# Altium PCB D5035_50.PcbDoc
Units mm, origin at the board's own origin, x right, y up, seen from the top; angles counter-clockwise.
Board outline 69 x 39 mm, 2 copper layers (Top Layer, Bottom Layer), stack 1.57 mm thick; 82 components, 65 nets, 291 pads, 38 vias.
Unrouted connection lines stored in the file: 1.
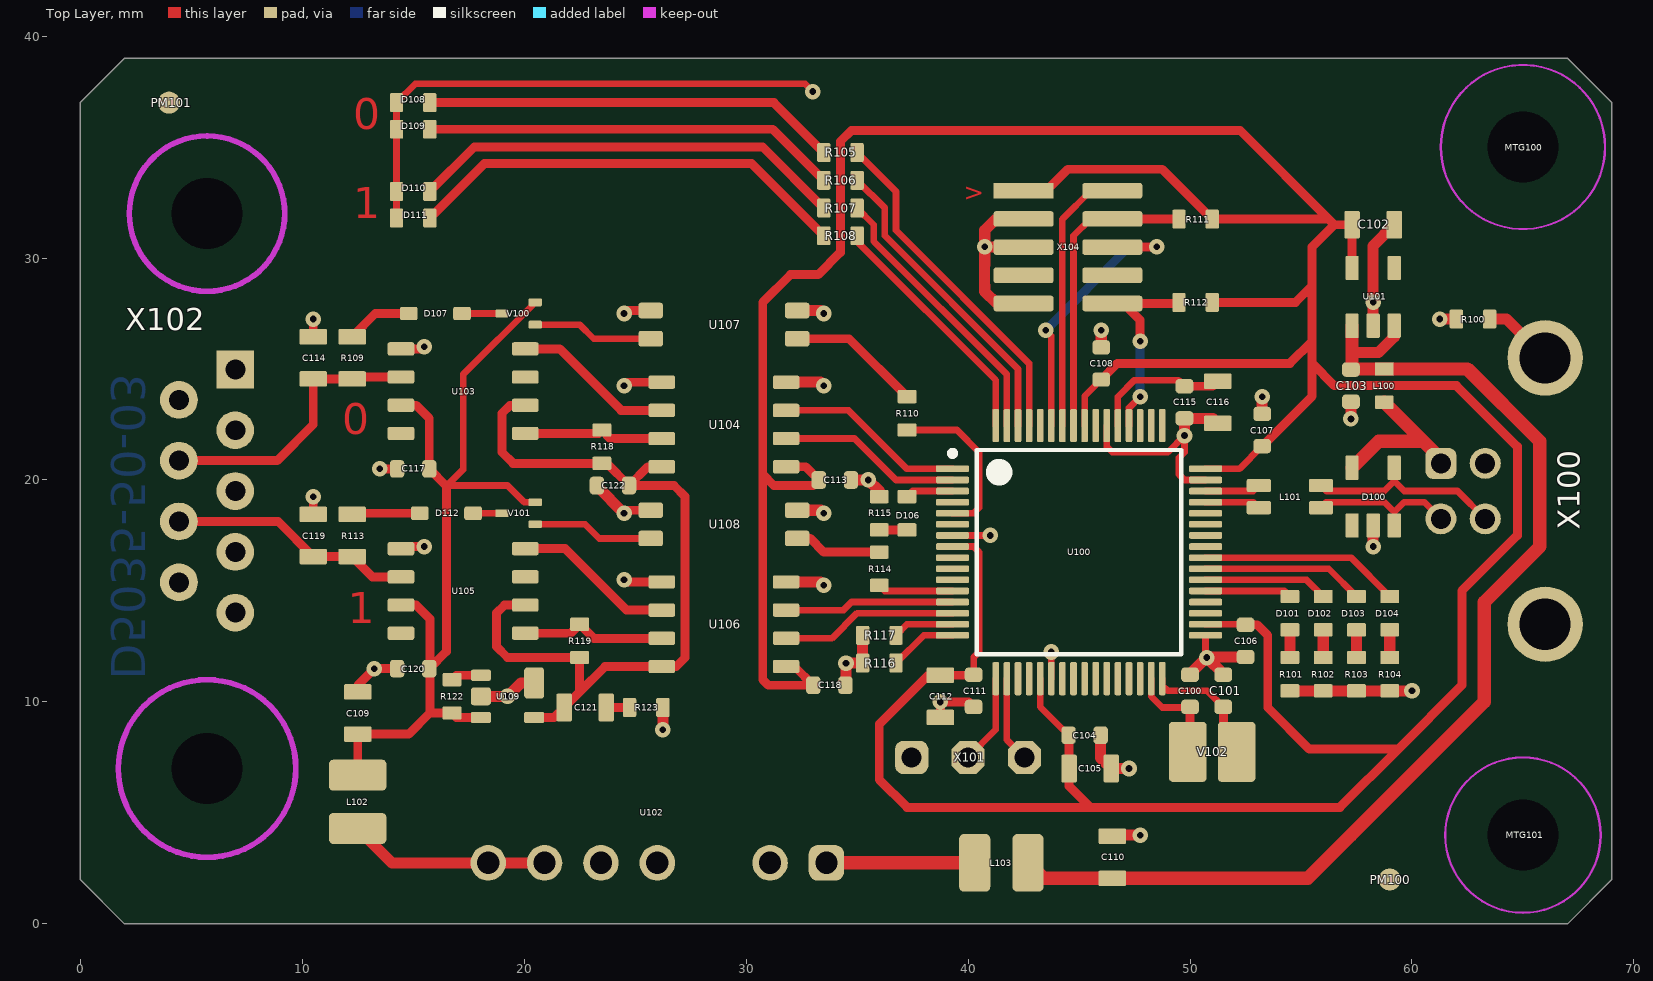
[diagram p0: Top Layer view]
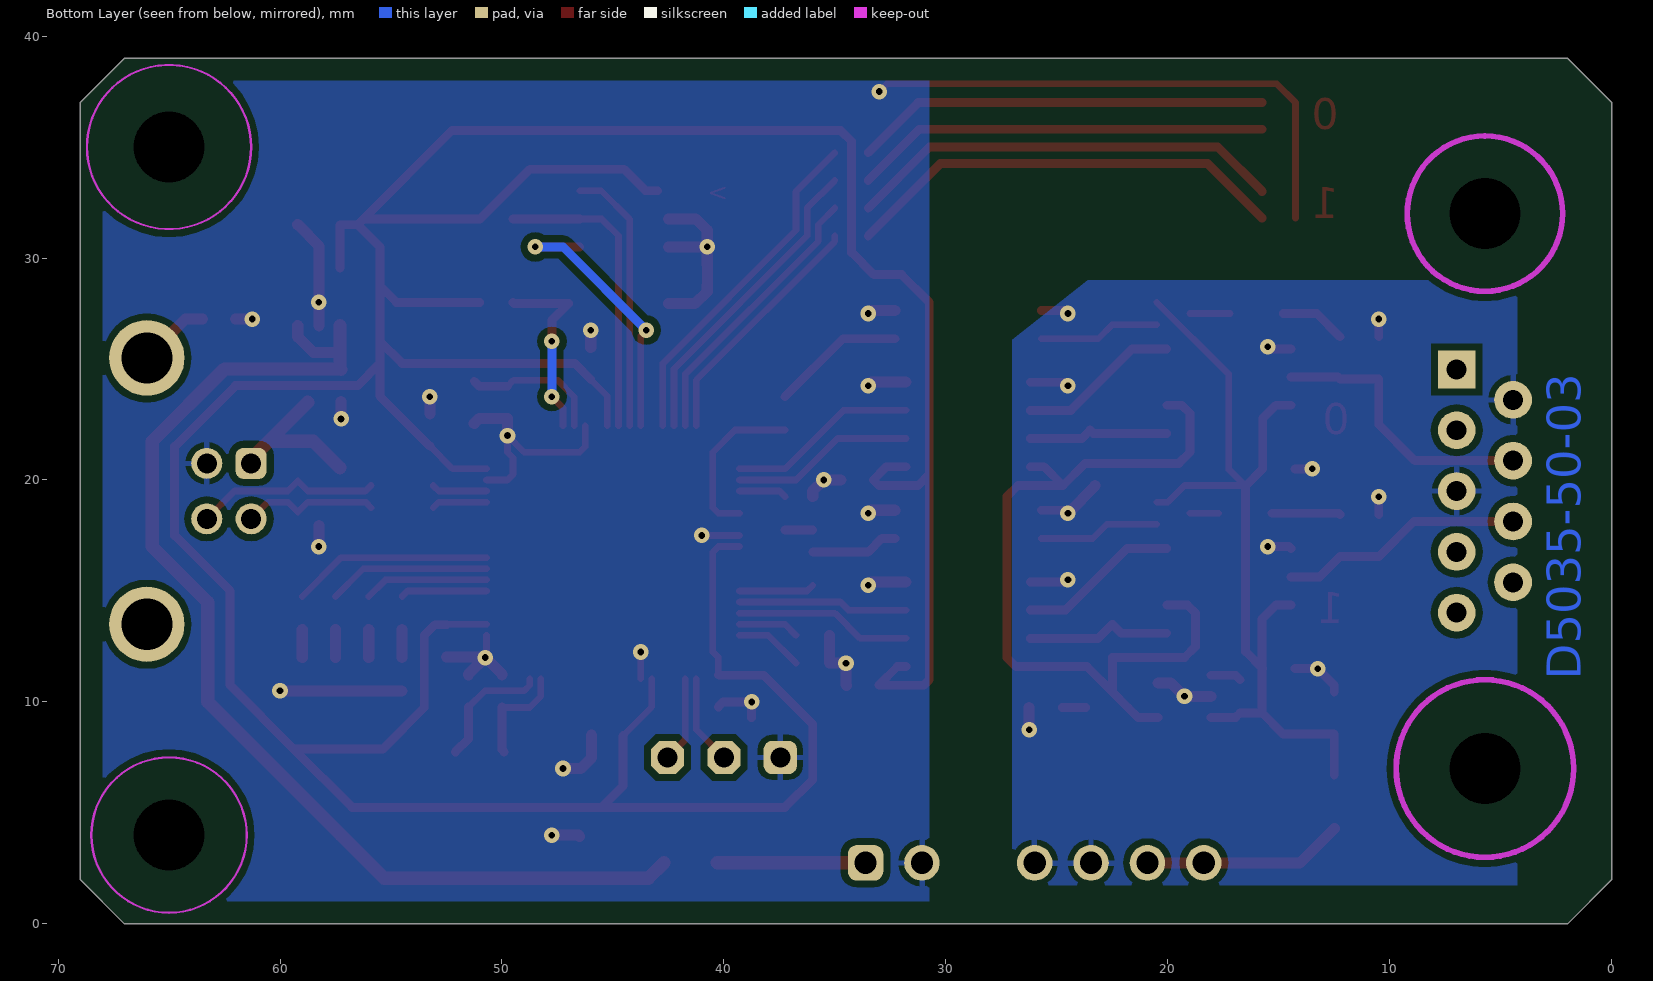
[diagram p1: Bottom Layer view, seen from below]
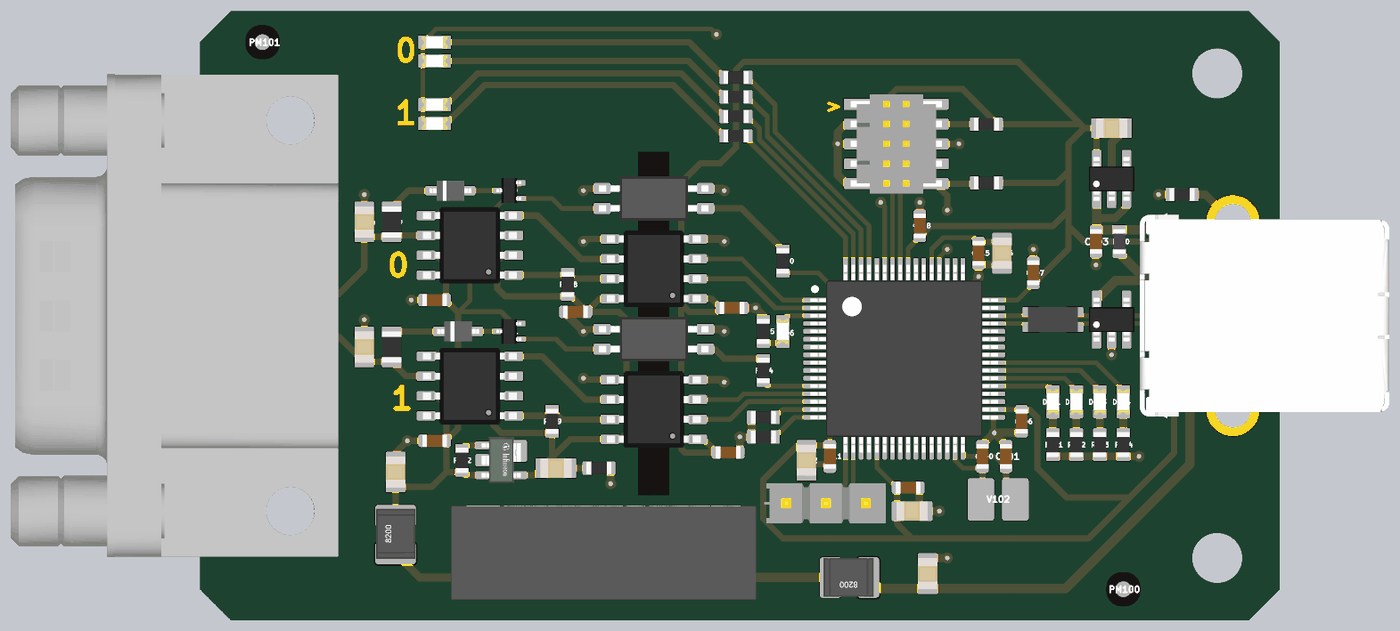
[diagram p2: 3D render of the assembled board from above, using the file's embedded part models]

## Layer stack, top to bottom
Top Solder: solder mask 0.01, Solder Resist, Dk 3.5
Top Layer: signal copper 0.035
Dielectric 1: dielectric 1.5, FR-4, Dk 4.8
Bottom Layer: signal copper 0.035
Bottom Solder: solder mask 0.01, Solder Resist, Dk 3.5

## Board outline
0,2 2,0 67,0 69,2 69,37 67,39 2,39 0,37

## Design rules (kind name [scope] priority, off if disabled: settings)
BoardOutlineClearance [All] p1: gap=1 ignorepadtopadclearanceinfootprint=FALSE
Clearance [All] p1: gap=0.152 ignorepadtopadclearanceinfootprint=FALSE except(0: Arc-Hole Track-Hole SMDPad-Hole THPad-Hole Via-Hole Fill-Hole Poly-Hole Region-Hole Text-Hole; 0.305: Arc-Poly Track-Poly SMDPad-Poly THPad-Poly Via-Poly Fill-Poly Poly-Poly) // 1
DiffPairsRouting [All] p1: maxlimit=0.254 minlimit=0.2 mostfreqgap=0.254 toplayer_minwidth=0.25 toplayer_maxwidth=0.381 toplayer_prefwidth=0.3 bottomlayer_minwidth=0.25 bottomlayer_maxwidth=0.381 bottomlayer_prefwidth=0.3 maxuncoupledlength=12.7
HoleSize [All] p1: absolutevalues=TRUE maxlimit=5.08 minlimit=0.3 maxpercent=80.000 minpercent=20.000
MinimumSolderMaskSliver [All] p1: minsoldermaskwidth=0.051
PasteMaskExpansion [All] p1 off: expansion=0
PolygonConnect PolygonConnect_2 [IsVia] p1: connectstyle=Direct reliefconductorwidth=0.254 reliefentries=4 polygonreliefangle="90 Angle" airgapwidth=0.254
PolygonConnect PolygonConnect_1 [IsPad] p2: thpad.connectstyle=Relief thpad.reliefconductorwidth=0.254 thpad.reliefentries=4 thpad.polygonreliefangle="90 Angle" thpad.airgapwidth=0.254 smdpad.connectstyle=Direct smdpad.reliefconductorwidth=0.254 smdpad.reliefentries=4 smdpad.polygonreliefangle="90 Angle" smdpad.airgapwidth=0.254 via.connectstyle=Direct via.reliefconductorwidth=0.254 via.reliefentries=4 via.polygonreliefangle="90 Angle" via.airgapwidth=0.254
PolygonConnect [All] p3: connectstyle=Relief reliefconductorwidth=0.406 reliefentries=4 polygonreliefangle="90 Angle" airgapwidth=0.254
RoutingVias [All] p1: holewidth=0.3 width=0.6 viastyle="Through Hole" minholewidth=0.3 minwidth=0.6 maxholewidth=1 maxwidth=2
SilkToBoardRegionClearance [All] p1 off:
SilkToSilkClearance [All] p1 off: silktosilkclearance=0.254
SilkToSolderMaskClearance [IsPad] p1 off: minsilkscreentomaskgap=0.254 clearancetoexposedcopper=TRUE
SolderMaskExpansion SolderMaskExpansion_VIA [IsVia] p1: expansion=0.051 istentingtop=FALSE soldermaskfromhole=TRUE
SolderMaskExpansion [All] p2: expansion=0.051 istentingtop=FALSE
Width [All] p1: maxlimit=2.54 minlimit=0.25 preferedwidth=0.3 minimp=50.000000 maximp=50.000000 favimp=50.000000
23 further rules are at their usual default settings.

## Components (designator, comment, footprint, x,y, rotation, side; value= is the part's Value field where it differs from the comment)
C100 "6p" CAPC1608X09L 50,10.5 r90 top
C101 "6p" CAPC1608X09L 51.5,10.5 r270 top
C102 "4µ7" CAPC2012X14L 58.25,31.5 r180 top
C103 "100n" CAPC1608X09L 57.25,24.25 r90 top
C104 "100n" CAPC1608X09L 45.25,8.5 r180 top
C105 "4µ7" CAPC2012X14L 45.5,7 r180 top
C106 "100n" CAPC1608X09L 52.5,12.75 r90 top
C107 "100n" CAPC1608X09L 53.25,22.25 r270 top
C108 "100n" CAPC1608X09L 46,25.25 r270 top
C109 "4µ7" CAPC2012X14L 12.5,9.5 r270 top
C110 "4µ7" CAPC2012X14L 46.5,3 r270 top
C111 "100n" CAPC1608X09L 40.25,10.5 r90 top
C112 "4µ7" CAPC2012X14L 38.75,10.25 r90 top
C113 "100n" CAPC1608X09L 34,20 r180 top
C114 "220p" CAPC2012X14L 10.5,25.5 r270 top
C115 "100n" CAPC1608X09L 49.75,23.5 r90 top
C116 "4µ7" CAPC2012X14L 51.25,23.5 r90 top
C117 "100n" CAPC1608X09L 15,20.5 r0 top
C118 "100n" CAPC1608X09L 33.75,10.75 r180 top
C119 "220p" CAPC2012X14L 10.5,17.5 r270 top
C120 "100n" CAPC1608X09L 15,11.5 r0 top
C121 "4µ7" CAPC2012X14L 22.75,9.75 r180 top
C122 "100n" CAPC1608X09L 24,19.75 r0 top
D100 "WE_824011" SOT95P280X110-5N 58.25,19.25 r90 top
D101 "red" DIOC1608X06N_LED 54.5,14 r90 top
D102 "yellow" DIOC1608X06N_LED 56,14 r90 top
D103 "green" DIOC1608X06N_LED 57.5,14 r90 top
D104 "blue" DIOC1608X06N_LED 59,14 r90 top
D106 "green" DIOC1608X06N_LED 37.25,18.5 r90 top
D107 "1N4148WS" SOD323 16,27.5 r0 top
D108 "green" DIOC1608X06N_LED 15,37 r0 top
D109 "red" DIOC1608X06N_LED 15,35.8 r0 top
D110 "green" DIOC1608X06N_LED 15,33 r0 top
D111 "red" DIOC1608X06N_LED 15,31.8 r0 top
D112 "1N4148WS" SOD323 16.5,18.5 r0 top
L100 "WE_742792641" INDC1608X06L 58.75,24.25 r90 top
L101 "WE_744232090" WE_744232090 54.5,19.25 r180 top
L102 "82103C" Murata_8200C 12.5,5.5 r90 top
L103 "82103C" Murata_8200C 41.5,2.75 r180 top
MTG100 "MH_M3" HOLE_3_2MM 65,35 r0 top
MTG101 "MH_M3" HOLE_3_2MM 65,4 r0 top
PM100 "Fidicual" PM100 59,2 r0 top
PM101 "Fidicual" PM100 4,37 r0 top
R100 "10k" RESC1608X06L 62.75,27.25 r0 top
R101 "2k" RESC1608X06L 54.5,11.25 r90 top
R102 "2k" RESC1608X06L 56,11.25 r90 top
R103 "2k" RESC1608X06L 57.5,11.25 r90 top
R104 "2k" RESC1608X06L 59,11.25 r90 top
R105 "2k" RESC1608X06L 34.25,34.75 r0 top
R106 "1k" RESC1608X06L 34.25,33.5 r0 top
R107 "2k" RESC1608X06L 34.25,32.25 r0 top
R108 "1k" RESC1608X06L 34.25,31 r0 top
R109 "1k/500mW" RESC2012X06L 12.25,25.5 r90 top
R110 "2k" RESC1608X06L 37.25,23 r90 top
R111 "10k" RESC1608X06L 50.25,31.75 r180 top
R112 "10k" RESC1608X06L 50.25,28 r180 top
R113 "1k/500mW" RESC2012X06L 12.25,17.5 r90 top
R114 "2k" RESC1608X06L 36,16 r90 top
R115 "10k" RESC1608X06L 36,18.5 r270 top
R116 "10k" RESC1608X06L 36,11.75 r180 top
R117 "10k" RESC1608X06L 36,13 r180 top
R118 "10k" RESC1608X06L 23.5,21.5 r90 top
R119 "10k" RESC1608X06L 22.5,12.75 r90 top
R122 "10k" RESC1608X06L 16.75,10.25 r270 top
R123 "4.7R" RESC1608X06L 25.5,9.75 r0 top
U100 "SAMx51J1xA-AU" TSQFP50P1200X1200X120-64N 45,16.75 r0 top
U101 "MIC5317-3.3YD5" SOT95P280X110-5N 58.25,28.25 r90 top
U102 "=Value" TBA1/TBA2 26,2.75 r180 top
U103 "TLIN1029A" SOIC127P600X175-8N 17.25,24 r180 top
U104 "SI8622EB-B-IS" SOIC127P600X175-8N 29,22.5 r180 top
U105 "TLIN1029A" SOIC127P600X175-8N 17.25,15 r180 top
U106 "SI8622EB-B-IS" SOIC127P600X175-8N 29,13.5 r180 top
U107 "VOS618A-3T" SSOP-4 29,27 r180 top
U108 "VOS618A-3T" SSOP-4 29,18 r180 top
U109 "TLE4296GV50" INF-PG-SCT595V 19.25,10.25 r270 top
V100 "DTA114EET1G" SOT50P162X60-3N 19.75,27.5 r180 top
V101 "DTA114EET1G" SOT50P162X60-3N 19.75,18.5 r180 top
V102 "16MHz" NX3225Gx 51,7.75 r180 top
X100 "61729-0010BLF" 61729-XXXXXLF 66,19.5 r90 top
X101 "1x3 2,54mm" PINH_1x03_2_54mm 40,7.5 r0 top
X102 "9651226803" 09651226803 6.985,19.5 r90 top
X104 "SWD" FTSH-105-01-L-DV-K 44.5,30.5 r270 top

## Footprints (in the part's own frame and the unit in brackets; to place one, negate y for a bottom-side part, rotate by r counter-clockwise, add the part's x,y. Pads: shape width x height; smd on the part's side, far side on the other; paste and mask are expansions set on the pad)
61729-XXXXXLF [mm] "USB Buchse"
  rrect50% 1.4x1.4 hole 0.9: 1(1.25,4.7)
  round 1.4 hole 0.9: 2(-1.25,4.7) 3(-1.25,2.7) 4(1.25,2.7)
  round 3.4 hole 2.3: Shell(-6,0) Shell(6,0)
  body extent -6.56,-10 6.56,5.94, height 1.15
09651226803 [mm]
  rect 1.7x1.7 hole 0.9: 1(5.48,0)
  round 1.7 hole 0.9: 2(2.74,0) 3(0,0) 4(-2.74,0) 5(-5.48,0) 6(4.11,2.54) 7(1.37,2.54) 8(-1.37,2.54) 9(-4.11,2.54)
  round 0 hole 3.2 unplated: SH(-12.5,1.27) SH(12.5,1.27)
  body extent -15.46,-1.85 15.45,19.05, height 13.55
CAPC1608X09L [mm] "Chip Capacitor, 2-Leads, Body 1,6x0,8mm, IPC High Density"
  rrect50% 0.65x0.8 smd: 1(-0.725,0) 2(0.725,0)
  body extent -0.8,-0.4 0.8,0.4, height 0.6
CAPC2012X14L [mm] "Chip Capacitor, 2-Leads, Body 2,0x1,3mm, IPC High Density"
  rrect20% 0.7x1.25 smd: 1(-0.95,0) 2(0.95,0)
  body extent -1,-0.62 1,0.62, height 0.6
DIOC1608X06N_LED [mm]
  rrect20% 0.6x0.85 smd: 1(-0.75,0) 2(0.75,0)
  body extent -0.8,-0.4 0.8,0.4, height 0.7
FTSH-105-01-L-DV-K [mm] "SAMTEC FTSH 5pin doppelreihig, 1,27mm x 1,27mm"
  rect 0.7x2.7 smd: 1(-2.53,-2)
  rrect30% 0.7x2.7 smd: 2(-2.53,2) 3(-1.26,-2) 4(-1.26,2) 5(0.01,-2) 6(0.01,2) 7(1.28,-2) 8(1.28,2) 9(2.55,-2) 10(2.55,2)
  body extent -3.17,-2.92 3.18,2.92, height 6.11
HOLE_3_2MM [mm] "Mouting-Hole for screws M3 with keepout for washer"
  round 0 hole 3.2 unplated: 1(0,0)
  Keep-Out Layer circle w0.1: c0,0 r3.7
INDC1608X06L [mm] "Ferrite Bead 2-Leads, Body 1,6x0,8mm, IPC High Density"
  rrect20% 0.6x0.85 smd: 1(-0.75,0) 2(0.75,0)
  body extent -0.8,-0.4 0.8,0.4, height 0.8
INF-PG-SCT595V [mm] "SOT23, 5-Leads, Body 2.9x1.6mm, Pitch 0.95mm"
  rrect30% 0.5x0.9 smd: 1(-0.95,-1.2) 3(0.95,-1.2) 4(0.95,1.2)
  rrect30% 0.8x0.9 smd: 2(0,-1.2)
  rrect30% 1.4x0.9 smd: 5(-0.6,1.2)
  body extent -1.45,-1.25 1.45,1.25, height 1.11
Murata_8200C [mm]
  rrect30% 1.4x2.6 smd paste+0 mask+0.102: 1(-1.2,0)
  rrect30% 1.4x2.6 smd: 2(1.2,0)
  body extent -1.55,-1.26 1.65,1.24, height 2
NX3225Gx [mm] "Quartz Crystal Units NX3225Gx for Automotive, 2-Leads, Body 3.2x2.5mm, IPC Medium Density"
  rrect20% 1.7x2.7 smd: 1(-1.1,0) 2(1.1,0)
  body extent -1.7,-1.3 1.7,1.3, height 1
PINH_1x03_2_54mm [mm] "Pin-Header 3 polig"
  rrect50% 1.5x1.5 hole 0.9: 1(-2.54,0)
  oct 1.5x1.5 hole 0.9: 2(0,0) 3(2.54,0)
  body extent -3.94,-1.27 3.81,1.27, height 8.38
PM100 [mm] "Passermarke für Bestueckungsautomaten rund"
  rect 0.2x0.2 smd mask+1: 1(0,0)
  round 1 smd: 1(0,0)
  Top Layer pour cut-out: -1.2,1.2 1.2,1.2 1.2,-1.2 -1.2,-1.2
RESC1608X06L [mm] "Chip Resistor, 2-Leads, Body 1,6x0,8mm, IPC High Density"
  rrect20% 0.6x0.85 smd: 1(-0.75,0) 2(0.75,0)
  body extent -0.8,-0.4 0.8,0.4, height 0.4
RESC2012X06L [mm] "Chip Resistor, 2-Leads, Body 2,0x1,3mm, IPC High Density"
  rrect20% 0.7x1.25 smd: 1(-0.95,0) 2(0.95,0)
  body extent -1,-0.63 1,0.63, height 0.5
SOD323 [mm] "Molded Diode, 2-Leads, Body 2,7x1,6mm, IPC Medium Density"
  rrect30% 0.8x0.6 smd: 1(-1.2,0) 2(1.2,0)
  body extent -1.34,-0.65 1.34,0.65, height 0.94
SOIC127P600X175-8N [mm] "SOIC, 8-Leads, Body 5,0x4,0mm (max), Pitch 1,27mm, IPC Medium Density"
  rrect30% 1.2x0.6 smd: 1(-2.8,1.905) 2(-2.8,0.635) 3(-2.8,-0.635) 4(-2.8,-1.905) 5(2.8,-1.905) 6(2.8,-0.635) 7(2.8,0.635) 8(2.8,1.905)
  body extent -3,-2.45 3,2.45, height 1.7
SOT50P162X60-3N [mm] "SC89/SOT666, 3-Leads, Body 1,7x1,7mm (max), Pitch 0,50mm, IPC Medium Density"
  rrect30% 0.6x0.35 smd: 1(-0.75,0.5) 2(-0.75,-0.5) 3(0.75,0)
  body extent -0.8,-0.8 0.8,0.8, height 0.78
SOT95P280X110-5N [mm] "SOT23, 5-Leads, Body 3,0x3,0mm (max), Pitch 0,95mm, IPC Medium Density"
  rrect20% 1.1x0.6 smd: 1(-1.3,0.95) 2(-1.3,0) 3(-1.3,-0.95) 4(1.3,-0.95) 5(1.3,0.95)
  body extent -1.4,-1.45 1.4,1.45, height 1.45
SSOP-4 [mm]
  rrect30% 1.1x0.7 smd: 1(-3.3,0.635) 2(-3.3,-0.635) 3(3.3,-0.635) 4(3.3,0.635)
  body extent -3.5,-1.43 3.5,1.43, height 2.1
TBA1/TBA2 [mm]
  rrect50% 1.6x1.6 hole 1: 1(-7.62,0)
  round 1.6 hole 1: 2(-5.08,0) 4(0,0) 4(2.54,0) 6(5.08,0) 6(7.62,0)
  body extent -9.55,-4.6 9.95,1.42, height 10.1
TSQFP50P1200X1200X120-64N [mm] "TSQFP, 64-Leads, Body 10,00x10,00mm, Pitch 0,50mm, IPC Medium Density"
  rrect50% 1.5x0.3 smd: 1(-5.7,3.75) 2(-5.7,3.25) 3(-5.7,2.75) 4(-5.7,2.25) 5(-5.7,1.75) 6(-5.7,1.25) 7(-5.7,0.75) 8(-5.7,0.25) 9(-5.7,-0.25) 10(-5.7,-0.75) 11(-5.7,-1.25) 12(-5.7,-1.75) 13(-5.7,-2.25) 14(-5.7,-2.75) 15(-5.7,-3.25) 16(-5.7,-3.75) 33(5.7,-3.75) 34(5.7,-3.25) 35(5.7,-2.75) 36(5.7,-2.25) 37(5.7,-1.75) 38(5.7,-1.25) 39(5.7,-0.75) 40(5.7,-0.25) 41(5.7,0.25) 42(5.7,0.75) 43(5.7,1.25) 44(5.7,1.75) 45(5.7,2.25) 46(5.7,2.75) 47(5.7,3.25) 48(5.7,3.75)
  rrect50% 0.3x1.5 smd: 17(-3.75,-5.7) 18(-3.25,-5.7) 19(-2.75,-5.7) 20(-2.25,-5.7) 21(-1.75,-5.7) 22(-1.25,-5.7) 23(-0.75,-5.7) 24(-0.25,-5.7) 25(0.25,-5.7) 26(0.75,-5.7) 27(1.25,-5.7) 28(1.75,-5.7) 29(2.25,-5.7) 30(2.75,-5.7) 31(3.25,-5.7) 32(3.75,-5.7) 49(3.75,5.7) 50(3.25,5.7) 51(2.75,5.7) 52(2.25,5.7) 53(1.75,5.7) 54(1.25,5.7) 55(0.75,5.7) 56(0.25,5.7) 57(-0.25,5.7) 58(-0.75,5.7) 59(-1.25,5.7) 60(-1.75,5.7) 61(-2.25,5.7) 62(-2.75,5.7) 63(-3.25,5.7) 64(-3.75,5.7)
  silkscreen extent -5.82,-4.6 4.6,4.6, body extent -6,-6 6,6, height 1.2
WE_744232090 [mm] "SMD Stromkomp. Datenleitungsfilter WE-CNSW"
  rrect30% 1.1x0.6 smd: 1(-1.4,0.5) 2(1.4,0.5) 3(1.4,-0.5) 4(-1.4,-0.5)
  body extent -1.7,-0.9 1.7,0.89, height 1.8

## Part data
C100 C101 C103 C104 C106 C107 C108 C111 C113 C115 C117 C118 C120 C122: library part CAPC_0603, "0603 Chip Capacitor", Bauteilart=Capacitor, Editor=rriedel, Kategorie=generic, PackageDescription=0603, Part Number=CAPC_0603, Status=tested, Unterart=unpolarized
C102 C105 C109 C110 C112 C114 C116 C119 C121: library part CAPC_0805, "0805 Chip Capacitor", Bauteilart=Capacitor, Editor=rriedel, Kategorie=generic, PackageDescription=0805, Part Number=CAPC_0805, Status=tested, Unterart=unpolarized
D100: "TVS Diode Array WE-TVS", Manufacturer=Wuerth, Bauteilart=Diode, Date=22.06.2020, Distributor_1=Digi-Key, Distributor_1_Part_Number=732-4465-1-ND, Editor=rriedel, Kategorie=Part, PackageDescription=SOT23-5, Part Number=WE_824011, Part_Number_1=824011, Status=new, Unterart=ESD
D101 D102 D103 D104 D106 D108 D109 D110 D111: library part LED_0603, "LED, 0603", Bauteilart=Diode, Date=29.06.2020, Editor=rriedel, Kategorie=generic, PackageDescription=0603, Part Number=LED_0603, Status=new, Unterart=generic
D107 D112: "Small Signal Diode IF 0.15A, VR 75V, SOD323F", Bauteilart=Diode, Date=14.03.2022, Distributor_1=LCSC, Distributor_1_Part_Number=C2128, Editor=rriedel, Kategorie=Part, PackageDescription=SOD323F, Part Number=1N4148WS, Status=new, Unterart="Small Signal"
L100: "SMT EMI suppression ferrite bead WE-CBF", Manufacturer=Wuerth, Bauteilart=Inductor, Date=22.06.2020, Distributor_1=Digi-Key, Distributor_1_Part_Number=732-1592-1-ND, Editor=rriedel, Kategorie=Part, PackageDescription=0603, Part Number=WE_742792641, Part_Number_1=742792641, Status=new, Unterart="Ferrite Bead"
L101: "SMD common mode noise suppressor WE-CNSW", Manufacturer=Wuerth, Bauteilart=Inductor, Date=22.06.2020, Distributor_1=Digi-Key, Distributor_1_Part_Number=732-1469-1-ND, Editor=rriedel, Kategorie=Part, PackageDescription=3216, Part Number=WE_744232090, Part_Number_1=744232090, Status=new, Unterart=Filter
L102 L103: "10µH, 0,5A, 400mR", Manufacturer=Murata, Bauteilart=Inductor, Date=27.06.2020, Distributor_1=Digi-Key, Distributor_1_Part_Number=811-2473-1-ND, Editor=rriedel, Kategorie=Part, PackageDescription="3,2x2,5 mm", Part Number=82103C, Part_Number_1=82103C, Status=new, Unterart=Power
MTG100 MTG101: "Mounting-Hole for M3 screws", Bauteilart=Mechanic, Date=13.05.2018, Editor=rriedel, Kategorie=No_Bom, Part Number=MH_M3, Status=tested, Unterart=Holes
PM100 PM101: library part PM100, "Passermarke für Bestueckungsautomaten 1mm rund, 2,2mm quadratischer Ausschnitt, 2,1 mm Ausstellung Loetstoplack", Bauteilart=Manufacturing, Date=22.02.2017, Editor=rriedel, Kategorie=No_Bom, PackageDescription="Passermarke 1.0mm rund", Part Number=PM100, Status=tested, Unterart=Passermarke
R100 R101 R102 R103 R104 R105 R106 R107 R108 R110 R111 R112 R114 R115 R116 R117 R118 R119 R122 R123: library part RESC_0603, "0603 Chip Resistor", Bauteilart=Resistor, Editor=rriedel, Kategorie=generic, PackageDescription=0603, Part Number=RESC_0603, Status=tested, Unterart=generic
R109 R113: library part RESC_0805, "0805 Chip Resistor", Bauteilart=Resistor, Editor=rriedel, Kategorie=generic, PackageDescription=0805, Part Number=RESC_0805, Status=tested, Unterart=generic
U100: library part SAME51J19A-AU, "32-bit Microcontroller, 120MHz Cortex M4-F, 512k FLASH,  2x CAN-FD, -40…85°C", Manufacturer=Microchip, Bauteilart=MikroController, Date=15.07.2018, Distributor_1=Digi-Key, Distributor_1_Part_Number=ATSAME51J19A-AUTCT-ND, Editor=rriedel, Kategorie=Part, PackageDescription=TQFP64-0.5mm, Part Number=SAME51J19A-AU, Part_Number_1=SAME51J19A-AU, Status=tested, Unterart="32bit Microchip"
U101: library part MIC5233-3.3, "100 mA LDO,  Vout= 3,3V, -40°C..125°C", Manufacturer=Microchip, Bauteilart=IC, Date=15.09.2016, Editor=rriedel, Kategorie=Part, PackageDescription=SOT23-5, Part Number=MIC5317-3.3YD5, Part_Number_1=MIC5317-3.3YD5, Status=tested, Unterart=Linear-Regulators
U102: library part MER1S0505SC, "Isolated Single Output DC-DC Converters 5V/12V", Part Number="TBA 2-0512", Bauteilart=Module, Date=27.06.2020, Editor=rriedel, Kategorie=Part, PackageDescription="4Pin SIP", Status=new, Unterart=DCDC
U103 U105: "LIN transceiver", Manufacturer=TI, Bauteilart=IC, Date=27.02.2022, Distributor_1=Mouser, Distributor_1_Part_Number=595-TLIN1029ADRQ1, Editor=rriedel, Kategorie=Part, PackageDescription=SO8, Part Number=TLIN1029A, Part_Number_1=TLIN1029A, Status=tested, Unterart=LIN
U104 U106: "Dual channel digital isolator, 150Mbit, 2,5kV", Manufacturer="Silicon Labs", Bauteilart=IC, Date=28.06.2020, Distributor_1=Digi-Key, Distributor_1_Part_Number=336-5209-1-ND, Editor=rriedel, Kategorie=Part, PackageDescription=SO8, Part Number=SI8622EB-B-IS, Part_Number_1=SI8622EB-B-IS, Status=tested, Unterart=Isolator
U107 U108: "Optocoupler, Phototransistor Output, Low Input Current, SSOP-4", Manufacturer=Vishay, Bauteilart=Opto, Date=28.02.2022, Distributor_1=Digi-Key, Distributor_1_Part_Number=VOS618A-3TCT-ND‎, Editor=rriedel, Kategorie=Part, PackageDescription=SSOP-4, Part Number=VOS618A-3T, Part_Number_1=VOS618A-3T, Status=new, Unterart=Optocoupler
U109: "30 mA LDO, Vout = 5,0V, 4%", Manufacturer=Infineon, Bauteilart=IC, Date=07.03.2022, Editor=rriedel, Kategorie=Part, PackageDescription=SCT595, Part Field 2=SCT595-5, Part Number=TLE4296GV50, Part_Number_1=TLE4296GV50, Status=tested, Unterart=Linear-Regulators
V100 V101: "PNP Transistor with Resistors (10kΩ, 10kΩ)  VCE= 50V, IC=100mA, SOT23, AEC Q101", Bauteilart=Transistor, Date=19.12.2021, Editor=rriedel, Kategorie=Part, PackageDescription=SC-75, Part Number=DTA114EET1G, Status=new, Unterart=PNP
V102: library part NX3225GB-16.000000MHZ, "16.000MHz Crystal SMD, 3.2x2.5mm, 8pF, 50ppm,  -40..+150°C", Manufacturer=NDK, Bauteilart=Crystal, Date=22.10.2015, Distributor_1=Digi-Key, Distributor_1_Part_Number=644-1233-1-ND, Distributor_2=Frischer, Editor=rriedel, Kategorie=Part, PackageDescription="NX3225Gx 3,2mm x 2,5mm", Part Number=NX3225GB-16.000000MHZ, Part_Number_1=NX3225GB-16M-STD-CRA-2, Status=tested, Unterart="NX3225GB automotive"
X100: "USB-B socket, THT", Manufacturer=Amphenol, Bauteilart=Connector, Date=28.06.2020, Distributor_1=Digi-Key, Distributor_1_Part_Number=609-1039-ND, Editor=rriedel, Kategorie=Part, PackageDescription=USB-B, Part Number=61729-0010BLF, Part_Number_1=61729-0010BLF, Status=new, Unterart=USB
X101: library part PINH_1x3_2_54, "Pin-Header 2,54 mm 3pins", Bauteilart=Connector, Date=02.02.2017, Editor=rriedel, Kategorie=generic, Part Number=PINH_1x3_2_54, Status=tested, Unterart=Pin-Header
X102: "D-Sub, 9 pin, male, right angle", Manufacturer=Harting, Bauteilart=Connector, Date=29.06.2020, Distributor_1=Farnell, Distributor_1_Part_Number=2752007, Editor=rriedel, Kategorie=Part, PackageDescription=D-Sub, Part Number=9651226803, Part_Number_1=9651226803, Status=new, Unterart=D-Sub
X104: "ARM Debug-Header 2x5 1,27 mm", Bauteilart=Connector, Date=12.08.2018, Editor=rriedel, Kategorie=Part, PackageDescription="2x5 1,27mm", Part Number=SWD, Status=tested, Unterart=Debug

## Via types
v1: diameter 0.7, hole 0.3, Top Layer to Bottom Layer, tented both sides, 38 vias

## Nets (pads, with @x,y where several pads share a name; then routed paths per layer and width w, separated by ;. In a path a pad name is that pad's centre, name@x,y a point inside that pad or via, vN(x,y) a via of type N, cw(c..) or ccw(c..) an arc to the next point about the centre after c; other vN are vias at no path point)
3V3: C102.2 C104.2 C105.2 C106.2 C107.2 C108.2 C111.2 C112.2 C113.2 C118.2 R111.1 R112.1 U100.8 U100.21 U100.34 U100.48 U100.56 U101.5 U104.1 U106.1 X104.1 | length 194.1
  Top Layer w0.3: U100.8 40.25,17 40.5,16.75 40.5,12.25 40.25,12 C111.2 ; U100.21 43.25,9.775 C104.2 ; U100.56 45.25,23.775 C108.2 ; U100.34 52.475,13.5 C106.2 ; U100.48 52.225,20.5 C107.2
  Top Layer w0.4: U106.1 32.18,11.595 C118.2 31,10.75 30.75,11 30.75,20.25 ; U104.1 32.68,20.595 C113.2 33.025,19.75 31.25,19.75 30.75,20.25 ; C111.2 40.225,11.2 C112.2 38.2,11.2 36,9 36,6.5 37.25,5.25 45.5,5.25 ; X104.1@43,33.03 43.53,33.03 44.5,34 48.75,34 R111.1 56.25,31.75 ; C104.2 44.55,8.475 C105.2 44.55,6.2 45.5,5.25 ; C108.2 46.725,25.25 54.5,25.25 55.5,26.25 ; R112.1 54.75,28 55.5,28.75 ; C106.2 53.025,13.475 53.5,13 53.5,9.75 55.375,7.875 59.375,7.875 ; C107.2 55.5,23.775 55.5,25.25 ; U101.5 C102.2 56.5,31.5 ; 30.75,20.25 30.75,28 32,29.25 33.25,29.25 34.25,30.25 34.25,35.25 34.75,35.75 52.25,35.75 56.25,31.75 ; 45.5,5.25 56.75,5.25 59.375,7.875 ; 55.5,25.25 55.5,26.25 ; 55.5,25.25 56.5,24.25 62,24.25 64.75,21.5 64.75,17.5 62.25,15 62.25,10.75 59.375,7.875 ; 55.5,26.25 55.5,28.75 ; 55.5,28.75 55.5,30.5 56.5,31.5 ; 56.25,31.75 56.5,31.5
5V: C103.2 C110.2 L100.2 L103.1 U101.1 U101.3 | length 51.4
  Top Layer w0.5: 57.3,25.75 58.5,25.75 59.2,26.45 U101.3
  Top Layer w0.6: L103.1 43.4,2.05 C110.2 55.3,2.05 57.25,4 63.25,10 63.25,14.5 65.75,17 65.75,21.75 62.5,25 L100.2 C103.2@57.275,25 ; C103.2 C103.2@57.275,25 ; U101.1 57.3,25.75 57.3,25.025 C103.2@57.275,25
5Viso: C121.2 C122.2 R118.1 R119.1 U103.2 U104.8 U105.2 U106.8 U109.4 | length 37.5
  Top Layer w0.4: U105.2 19.115,14.365 18.75,14 18.75,12.5 19.25,12 R119.1 22.5,10.45 ; U103.2 19.365,23.365 19,23 19,21.25 19.5,20.75 R118.1 23.725,20.75 C122.2 ; U109.4 21.35,9.3 C121.2 22.5,10.45 ; U104.8 25.57,20.595 C122.2 ; 22.5,10.45 23.645,11.595 U106.8 26.845,11.595 27.25,12 27.25,19.25 26.75,19.75 C122.2
12Viso: C109.2 C117.2 C120.2 L102.2 R122.2 U103.7 U105.7 U109.3 V100.2 V101.2 | length 41.3
  Top Layer w0.3: 16.5,19.725 16.525,19.75 ; V101.2 20,19 19.25,19.75 16.525,19.75 ; V100.2 17.25,24.75 17.25,20.475 16.525,19.75
  Top Layer w0.4: L102.2 C109.2 14.8,8.55 15.75,9.5 ; U105.7 15.135,14.365 15.75,13.75 C120.2@15.75,11.525 ; U103.7 15.135,23.365 15.725,22.775 C117.2 16.5,19.725 16.5,12.275 C120.2@15.75,11.525 ; U109.3 16.95,9.3 R122.2 15.75,9.5 ; 15.75,9.5 15.75,11.475 C120.2 C120.2@15.75,11.525
Debug_LED: D106.2 U100.3 | length 2.2
  Top Layer w0.3: D106.2 37.5,19.5 U100.3
GND: C100.2 C101.1 C102.1 C103.1 C104.1 C105.1 C106.1 C107.1 C108.1 C110.1 C111.1 C112.1 C113.1 C115.1 C116.1 C118.1 D100.2 D108.1 D109.1 D110.1 D111.1 R100.1 R101.1 R102.1 R103.1 R104.1 R115.1 R116.2 R117.2 U100.7 U100.22 U100.33 U100.47 U100.54 U101.2 U102.2 U104.4 U106.4 U107.2 U108.2 X100.4 X101.1 X104.3 X104.5 X104.9 | length 82.4
  Top Layer w0.3: D111.1 D110.1 D109.1 D108.1 15.1,37.85 32.65,37.85 v1(33,37.5) ; U100.7 v1(41,17.5) ; U100.22 v1(43.75,12.25) ; U100.54 46.25,21.5 46.5,21.25 49,21.25 v1(49.75,22) 49.75,21.25 49.5,21 49.5,20.25 49.75,20 U100.47 ; U100.33 50.7,12.05 v1(50.75,12)
  Top Layer w0.4: C112.1 v1(38.75,10) 40.025,10 C111.1
  Top Layer w0.5: U106.4 33.345,15.405 v1(33.5,15.25) ; U104.4 33.345,24.405 v1(33.5,24.25) ; U108.2 33.365,18.635 v1(33.5,18.5) ; U107.2 33.365,27.635 v1(33.5,27.5) ; C118.1 34.5,10.775 v1(34.5,11.75) R116.2 R117.2 ; C113.1 v1(35.5,20) 36,19.5 R115.1 ; X104.9 41.3,27.95 40.75,28.5 40.75,28.762 40.748,28.765 40.748,29.675 40.75,29.677 v1(40.75,30.5) ; X104.5 40.76,30.49 v1(40.75,30.5) ; X104.3 41.26,31.76 40.75,31.25 v1(40.75,30.5) ; C104.1 45.975,7.475 C105.1 v1(47.25,7) ; C108.1 v1(46,26.75) ; C110.1 46.55,4 v1(47.75,4) ; v1(49.75,22) C115.1 51.025,22.775 C116.1 ; C100.2 50,11.25 v1(50.75,12) ; C101.1 51.5,11.25 v1(50.75,12) ; C106.1 50.775,12.025 v1(50.75,12) ; C107.1 v1(53.25,23.75) ; R101.1 R102.1 R103.1 R104.1 v1(60,10.5) ; v1(57.25,22.75) C103.1 ; v1(58.25,17) D100.2 ; U101.2 v1(58.25,28) 58.25,30.55 C102.1 ; v1(61.25,27.25) R100.1
GND2: C109.1 C114.1 C117.1 C119.1 C120.1 C122.1 R123.2 U102.4 U103.5 U104.5 U105.5 U106.5 U107.3 U108.3 U109.2 U109.5 X102.3 X102.6 | length 18.4
  Top Layer w0.4: C119.1 v1(10.5,19.25) ; C114.1 v1(10.5,27.25) ; C109.1 12.5,10.75 v1(13.25,11.5) C120.1 ; v1(13.5,20.5) C117.1 ; U105.5 14.545,17 v1(15.5,17) ; U103.5 15.405,25.905 v1(15.5,26) ; v1(24.5,15.5) 24.595,15.405 U106.5 ; v1(24.5,18.5) 24.635,18.635 U108.3 ; v1(24.5,24.25) 24.655,24.405 U104.5 ; v1(24.5,27.5) 24.635,27.635 U107.3
  Top Layer w0.5: U109.2 v1(19.25,10.25) 19.85,10.85 U109.5 ; C122.1 23.275,19.725 v1(24.5,18.5) ; v1(26.25,8.75) R123.2
Master0: R110.1 U100.5 | length 7.5
  Top Layer w0.3: R110.1 39.5,22.25 40.5,21.25 40.5,18.75 40.25,18.5 U100.5
Master1: R114.1 U100.12 | length 3.4
  Top Layer w0.3: R114.1 36.25,15 U100.12
NetC100_1: C100.1 U100.31 V102.2 | length 4.8
  Top Layer w0.3: U100.31 48.25,10.25 48.75,9.75 49.975,9.75 C100.1
  Top Layer w0.4: V102.2 50,7.85 C100.1
NetC101_2: C101.2 U100.32 V102.1 | length 5.7
  Top Layer w0.3: U100.32 48.75,10.75 49,10.5 50.775,10.5 C101.2
  Top Layer w0.4: C101.2 51.5,8.35 V102.1
NetC115_2: C115.2 C116.2 U100.53 | length 6.3
  Top Layer w0.3: U100.53 46.75,23.75 47.5,24.5 49.475,24.5 C115.2
  Top Layer w0.4: C115.2 51.025,24.225 C116.2
NetC121_1: C121.1 R123.1 | length 1
  Top Layer w0.4: C121.1 R123.1
NetD100_3: D100.3 L101.1 X100.2 | length 6.2
  Top Layer w0.3: L101.1 56.15,19 58.75,19 59.2,18.55 59.65,19 60.55,19 X100.2
NetD100_4: D100.4 L101.4 X100.3 | length 8.4
  Top Layer w0.3: L101.4 56.15,19.5 58.75,19.5 59.2,19.95 59.65,19.5 62.05,19.5 X100.3
NetD101_1: D101.1 R101.2 | length 1.2
  Top Layer w0.5: R101.2 D101.1
NetD101_2: D101.2 U100.37 | length 3.9
  Top Layer w0.3: U100.37 54.25,15 D101.2
NetD102_1: D102.1 R102.2 | length 1.2
  Top Layer w0.5: R102.2 D102.1
NetD102_2: D102.2 U100.38 | length 5.6
  Top Layer w0.3: U100.38 55.25,15.5 D102.2
NetD103_1: D103.1 R103.2 | length 1.2
  Top Layer w0.5: R103.2 D103.1
NetD103_2: D103.2 U100.39 | length 7.3
  Top Layer w0.3: U100.39 56.25,16 D103.2
NetD104_1: D104.1 R104.2 | length 1.2
  Top Layer w0.5: R104.2 D104.1
NetD104_2: D104.2 U100.40 | length 9
  Top Layer w0.3: U100.40 57.25,16.5 D104.2
NetD106_1: D106.1 R115.2 | length 1.3
  Top Layer w0.4: R115.2 D106.1
NetD107_1: D107.1 R109.2 | length 3
  Top Layer w0.4: R109.2 13.3,27.5 D107.1
NetD107_2: D107.2 V100.3 | length 1.8
  Top Layer w0.3: D107.2 V100.3
NetD108_2: D108.2 R105.1 | length 18.7
  Top Layer w0.4: D108.2 31.25,37 R105.1
NetD109_2: D109.2 R106.1 | length 18.7
  Top Layer w0.4: D109.2 31.2,35.8 R106.1
NetD110_2: D110.2 R107.1 | length 19.7
  Top Layer w0.4: D110.2 17.75,35 30.75,35 R107.1
NetD111_2: D111.2 R108.1 | length 20.1
  Top Layer w0.4: D111.2 18.2,34.25 30.25,34.25 R108.1
NetD112_1: D112.1 R113.2 | length 3.1
  Top Layer w0.4: R113.2 12.3,18.5 D112.1
NetD112_2: D112.2 V101.3 | length 1.3
  Top Layer w0.3: D112.2 V101.3
NetL102_1: L102.1 U102.6 | length 9.1
  Top Layer w0.5: L102.1 14.05,2.75 18.38,2.75 U102.6@20.92,2.75
NetL103_2: L103.2 U102.1 | length 6.7
  Top Layer w0.6: U102.1 L103.2
NetR100_2: R100.2 X100.Shell | length 3.2
  Top Layer w0.5: R100.2 64.25,27.25 X100.Shell@66,25.5
NetR105_2: R105.2 U100.61 | length 15.5
  Top Layer w0.3: R105.2 36.75,33 36.75,31.25 42.75,25.25 U100.61
NetR106_2: R106.2 U100.62 | length 14.1
  Top Layer w0.3: R106.2 36.25,32.25 36.25,31 42.25,25 U100.62
NetR107_2: R107.2 U100.63 | length 12.6
  Top Layer w0.3: R107.2 35.75,31.5 35.75,30.75 41.75,24.75 U100.63
NetR108_2: R108.2 U100.64 | length 11.1
  Top Layer w0.3: R108.2 35,30.75 41.25,24.5 U100.64
NetR110_2: R110.2 U107.1 | length 6
  Top Layer w0.4: U107.1 34.635,26.365 R110.2
NetR114_2: R114.2 U108.1 | length 4
  Top Layer w0.4: U108.1 32.885,17.365 33.5,16.75 R114.2
NetR116_1: R116.1 U100.16 | length 3.1
  Top Layer w0.3: R116.1 38,13 U100.16
NetR117_1: R117.1 U100.15 | length 2.8
  Top Layer w0.3: R117.1 37.25,13.5 U100.15
NetR118_2: R118.2 U103.1 U104.7 | length 6.4
  Top Layer w0.4: U103.1 23.345,22.095 R118.2 23.885,21.865 U104.7
NetR119_2: R119.2 U105.1 U106.7 | length 6.6
  Top Layer w0.4: U105.1 22.095,13.095 R119.2 23.135,12.865 U106.7
NetR122_1: R122.1 U109.1 | length 1.4
  Top Layer w0.4: R122.1 16.95,11.2 U109.1
NetU100_17: U100.17 X101.2 | length 4.1
  Top Layer w0.3: X101.2 41.25,8.75 U100.17
NetU100_18: U100.18 X101.3 | length 3.9
  Top Layer w0.3: U100.18 41.75,8.29 X101.3
NetU103_4: U103.4 U104.6 | length 7.3
  Top Layer w0.4: U103.4 21.595,25.905 24.365,23.135 U104.6
NetU105_4: U105.4 U106.6 | length 7.3
  Top Layer w0.4: U105.4 21.845,16.905 24.615,14.135 U106.6
NetU107_4: U107.4 V100.1 | length 5.5
  Top Layer w0.3: V100.1 22.5,27 23.135,26.365 U107.4
NetU108_4: U108.4 V101.1 | length 5.5
  Top Layer w0.3: V101.1 22.75,18 23.385,17.365 U108.4
RESETN: R112.2 U100.52 X104.10 | length 8.5
  Top Layer w0.3: U100.52 47.25,23.25 v1(47.75,23.75)
  Top Layer w0.4: v1(47.75,26.25) 47.75,27.2 47,27.95 49.45,27.95 R112.2
  Bottom Layer w0.4: v1(47.75,23.75) v1(47.75,26.25)
RX_LIN0: U100.2 U104.2 | length 8.3
  Top Layer w0.3: U104.2 34.885,21.865 36.75,20 U100.2
RX_LIN1: U100.14 U106.2 | length 8
  Top Layer w0.3: U106.2 33.865,12.865 35,14 U100.14
SWCLK: R111.2 U100.57 X104.4 | length 13.6
  Top Layer w0.3: U100.57 44.75,30.5 44.75,31 45.51,31.76 X104.4
  Top Layer w0.4: X104.4 46.51,31.75 R111.2 R111.2@49.49,31.76
SWDIO: U100.58 X104.2 | length 12.1
  Top Layer w0.3: U100.58 44.25,31.25 44.25,31.75 45.53,33.03 X104.2
SWO: U100.59 X104.6 | length 13
  Top Layer w0.3: v1(43.5,26.75) 43.75,26.5 U100.59
  Top Layer w0.4: X104.6 48.49,30.49 v1(48.5,30.5)
  Bottom Layer w0.4: v1(43.5,26.75) 47.25,30.5 v1(48.5,30.5)
TX_LIN0: U100.1 U104.3 | length 8.6
  Top Layer w0.3: U104.3 34.615,23.135 37.25,20.5 U100.1
TX_LIN1: U100.13 U106.3 | length 7.7
  Top Layer w0.3: U106.3 34.385,14.135 34.75,14.5 U100.13
USB_N: L101.2 U100.45 | length 2.5
  Top Layer w0.3: U100.45 52.85,19 L101.2
USB_P: L101.3 U100.46 | length 2.5
  Top Layer w0.3: U100.46 52.85,19.5 L101.3
VBUS: D100.5 L100.1 X100.1 | length 7.5
  Top Layer w0.6: D100.5 58.5,21.75 60.5,21.75 ; L100.1 60.5,21.75 ; X100.1 61.3,20.95 60.5,21.75
X_LIN0: C114.2 R109.1 U103.6 X102.7 | length 12.8
  Top Layer w0.4: X102.7 8.87,20.87 10.5,22.5 C114.2 R109.1 12.335,24.635 U103.6
X_LIN1: C119.2 R113.1 U105.6 X102.8 | length 11
  Top Layer w0.4: X102.8 8.92,18.13 C119.2 R113.1 13.165,15.635 U105.6
pads on no net: D100.1 MTG100.1 MTG101.1 PM100.1 PM101.1 U100.4 U100.6 U100.9 U100.10 U100.11 U100.19 U100.20 U100.23 U100.24 U100.25 U100.26 U100.27 U100.28 U100.29 U100.30 U100.35 U100.36 U100.41 U100.42 U100.43 U100.44 U100.49 U100.50 U100.51 U100.55 U100.60 U101.4 U103.3 U103.8 U105.3 U105.8 X102.1 X102.2 X102.4 X102.5 X102.9 X102.SH X104.7 X104.8

## Polygon pours and split planes (outlines as drawn)
GND2 on Bottom Layer "GND2_L02_P007" (solid, remove dead copper, pour order 7): 27,26.313 23.604,29 4.25,29 4.25,1.75 26.25,1.75 27,2.5
GND on Bottom Layer "GND_L02_P006" (solid, remove dead copper, pour order 6): 30.75,39 69.065,39 69.065,0 30.75,0

## Keep-outs
Keep-Out Layer:
  circle w0.254: c5.715,32 r3.5
  circle w0.254: c5.715,7 r4

## Other copper
Top Layer:
  text "0" at 12.3,35.8 h1.4
  text ">" at 39.8,32.55 h0.8
  text "1" at 12.3,31.8 h1.4
  text "0" at 11.8,22.05 h1.4
  text "1" at 12.05,13.55 h1.4
Bottom Layer:
  text "D5035-50-03" at 1.397,11.001 h1.52 r270

## Silkscreen, mask and mechanical layers (free items; w line width, h text height)
Top Solder:
  rectangle: 28,8 30,30
  text "0" at 12.3,35.8 h1.4
  text ">" at 39.8,32.55 h0.8
  text "1" at 12.3,31.8 h1.4
  text "0" at 11.8,22.05 h1.4
  text "1" at 12.05,13.55 h1.4
Bottom Solder:
  rectangle: 28,8 30,30
M1_Dimension:
  the board outline again, w0.254

## Dimensions
0,6 to 69,37 on M2_Measures
67,0 to 67,39 on M2_Measures